# Allegro board Learn.brd (continued)
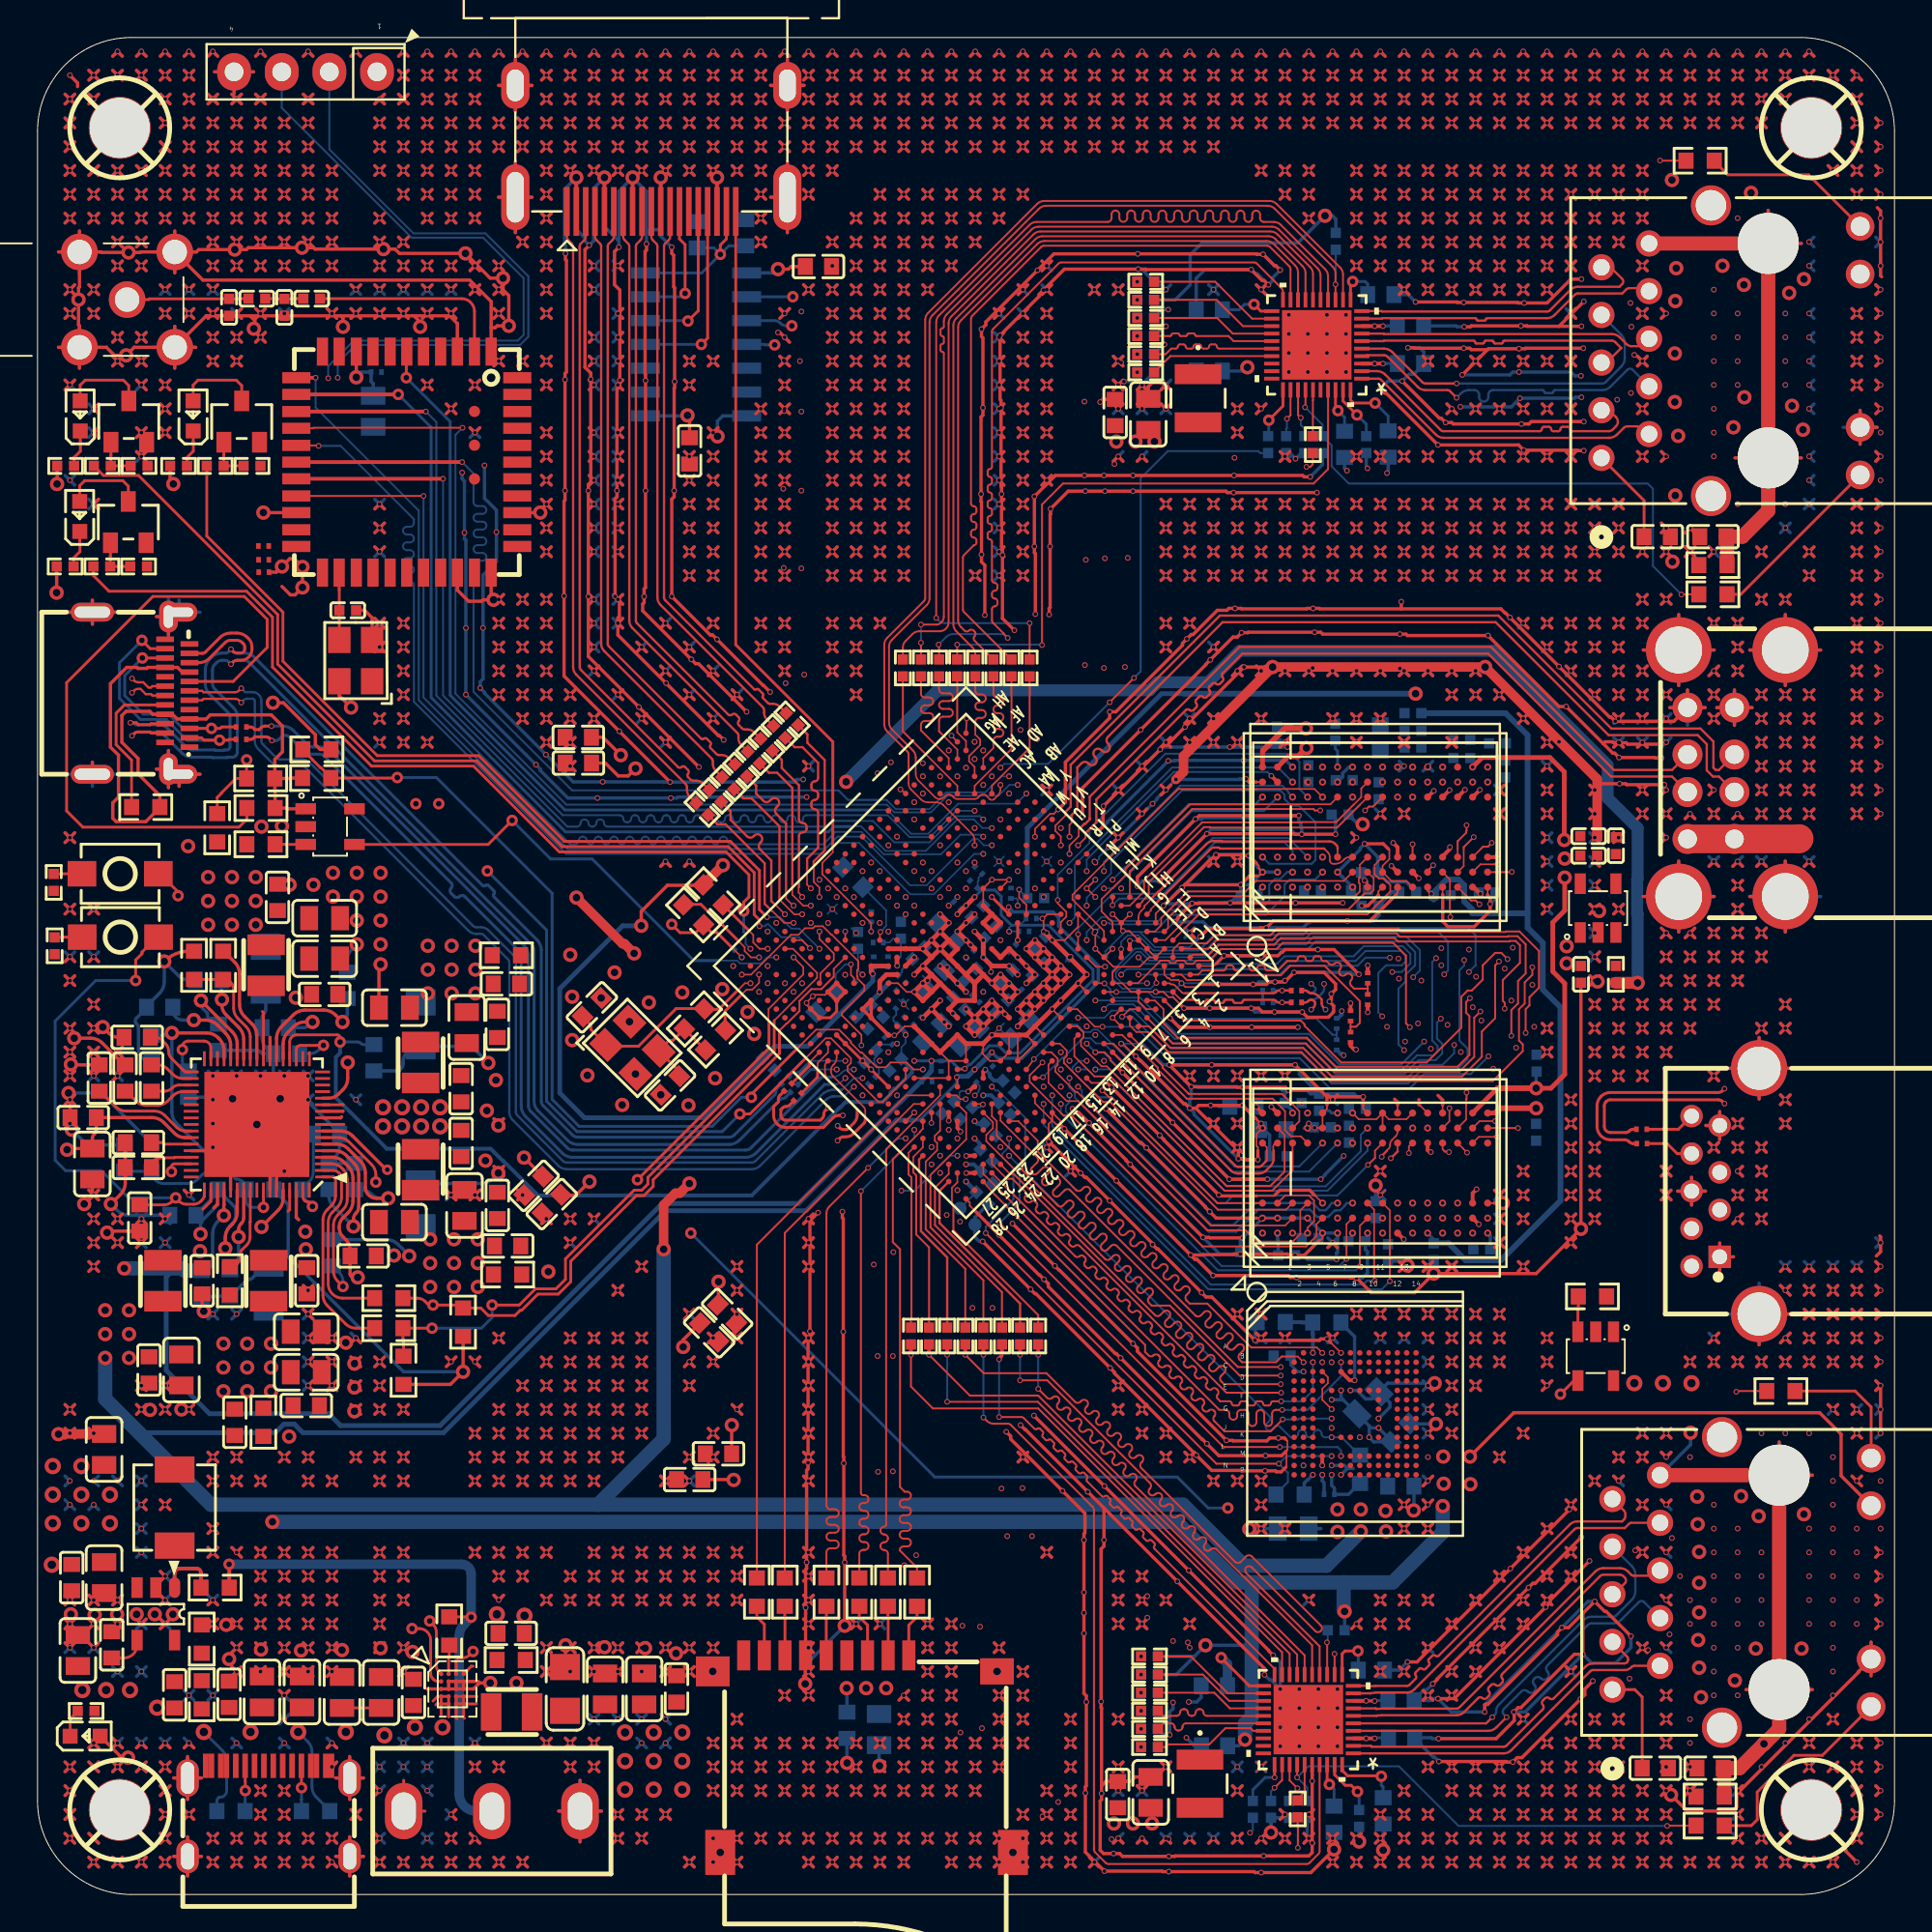
[diagram p0: board, top side]
## Routing (per net, layer and track width the routed paths; a pad name or vN(x,y) marks a point on that pad's centre or on a via; arc(x,y) is an arc through that point) (continued)
  BOTTOM w0.089: 47.38,38.13 48.63,39.38 v1(49.03,39.38)
  BOTTOM w0.104: R86.2 64.78,3.44 v1(64.63,3.29) ; 47.38,38.13 46.76,37.52 v1(46.05,37.52)
GMAC0_MDC: length 42.5
  TOP w0.089: 68.34,11.95 U11.14
  TOP w0.104: 68.34,11.95 68.34,13.23 68.15,13.42 68.15,13.41 64.43,17.14 arc(64.43,17.43) 64.72,17.43 68.11,14.05 arc(68.4,14.05) 68.4,14.34 64.72,18.02 arc(64.57,18.08) 64.43,18.02 64.13,17.73 arc(63.98,17.67) 63.84,17.73 58.84,22.73 arc(58.78,22.88) 58.84,23.02 58.88,23.07 arc(58.88,23.36) 58.59,23.36 58.54,23.32 arc(58.25,23.32) 58.25,23.61 58.29,23.66 arc(58.29,23.95) 58,23.95 57.95,23.91 arc(57.66,23.91) 57.66,24.2 57.7,24.25 arc(57.7,24.54) 57.41,24.54 57.36,24.5 arc(57.07,24.5) 57.07,24.79 57.11,24.84 arc(57.11,25.13) 56.82,25.13 56.77,25.09 arc(56.48,25.09) 56.48,25.38 56.52,25.43 arc(56.52,25.72) 56.23,25.72 56.18,25.68 arc(55.89,25.68) 55.89,25.97 55.93,26.02 arc(55.93,26.31) 55.64,26.31 55.6,26.27 arc(55.45,26.2) 55.3,26.27 53.78,27.79 50.43,27.79 v1(49.45,28.77)
  TOP w0.203: R67.1 v1(49.45,28.77)
GMAC0_MDIO: length 43.1
  TOP w0.089: U5.H23 48.99,42.6 49.2,42.39 v1(49.48,42.39) ; U11.13 68.74,11.95
  TOP w0.104: v1(68.73,13.44) 68.74,13.43 68.74,11.95
  SIG w0.089: 49.83,36.36 49.83,36.98 50.29,37.44 50.29,39.29 49.53,40.06 49.53,42.06 49.48,42.11 v1(49.48,42.39)
  SIG w0.104: 49.83,36.36 49.83,33.27 54.41,28.7 54.41,23.6 64.57,13.44 v1(68.73,13.44)
  BOTTOM w0.104: R80.1 68.77,13.48 v1(68.73,13.44)
GMAC0_RSTN: length 40.5
  TOP w0.089: U11.12 69.14,11.95
  TOP w0.104: v1(69.14,12.83) 69.14,12.82 69.14,11.95
  SIG w0.089: v1(49.03,40.3) 50.11,39.22 50.11,37.54 49.58,37.01 49.58,36.98 49.55,36.95 49.55,36.08
  SIG w0.104: 49.55,36.08 49.55,33.21 54.15,28.6 54.15,22.56 63.6,13.11 66.01,13.11 66.29,12.83 v1(69.14,12.83)
GMAC0_RXCLK: length 38.5
  SIG w0.089: 48.82,36.69 48.82,37.19 arc(48.84,37.32) 48.92,37.43 v1(49.03,37.54)
  SIG w0.104: v1(58.82,7.86) 60.08,7.86 arc(60.25,7.9) 60.39,7.99 60.78,8.38 arc(60.88,8.52) 60.91,8.69 60.91,13.91 arc(60.88,14.08) 60.78,14.23 59.9,15.11 arc(59.75,15.21) 59.58,15.24 56.21,15.24 arc(56.14,15.25) 56.08,15.3 52.07,19.3 arc(52.03,19.36) 52.02,19.43 52.02,29.41 arc(51.99,29.58) 51.89,29.72 48.87,32.74 arc(48.83,32.8) 48.82,32.87 48.82,36.69
GMAC0_RXD0: length 38.4
  SIG w0.089: 47.22,38.29 47.22,39.41 v1(47.65,39.84)
  SIG w0.104: 47.22,38.29 47.22,30.25 48.03,29.44 48.03,27.82 arc(47.97,27.67) 47.83,27.61 arc(47.68,27.55) 47.62,27.41 47.62,27.4 arc(47.68,27.26) 47.83,27.2 arc(47.97,27.14) 48.03,26.99 48.03,26.98 arc(47.97,26.84) 47.83,26.78 arc(47.68,26.72) 47.62,26.58 47.62,26.57 arc(47.68,26.42) 47.83,26.36 arc(47.97,26.31) 48.03,26.16 48.03,26.15 arc(47.97,26.01) 47.83,25.95 arc(47.68,25.89) 47.62,25.74 47.62,25.73 arc(47.68,25.59) 47.83,25.53 arc(47.97,25.47) 48.03,25.33 48.03,19.58 56.29,11.33 58.93,11.33 59.28,10.97 59.28,10.25 v1(58.82,9.79)
GMAC0_RXD1: length 38.4
  TOP w0.089: U5.H25 47.65,41.13 v1(47.65,41.12)
  SIG w0.089: v1(47.65,41.12) 46.91,40.39 46.91,38.6
  SIG w0.104: v1(58.82,10.76) 57.97,10.76 arc(57.88,10.72) 57.85,10.64 arc(57.81,10.55) 57.73,10.52 57.55,10.52 arc(57.47,10.55) 57.43,10.64 arc(57.4,10.72) 57.31,10.76 55.41,10.76 46.91,19.25 46.91,38.6
GMAC0_RXD2: length 41.8
  SIG w0.089: v1(48.11,39.38) 48.11,38.87 47.8,38.56 47.8,37.71
  SIG w0.104: 47.8,37.71 47.8,31.57 49.83,29.54 49.83,28.34 arc(49.77,28.19) 49.63,28.13 49.48,28.13 arc(49.28,27.92) 49.48,27.71 49.63,27.71 arc(49.83,27.5) 49.63,27.29 49.48,27.29 arc(49.28,27.09) 49.48,26.88 49.63,26.88 arc(49.83,26.67) 49.63,26.46 49.48,26.46 arc(49.28,26.25) 49.48,26.05 49.63,26.05 arc(49.83,25.84) 49.63,25.63 49.48,25.63 arc(49.28,25.42) 49.48,25.21 49.63,25.21 arc(49.83,25) 49.63,24.8 49.48,24.8 arc(49.28,24.59) 49.48,24.38 49.63,24.38 arc(49.83,24.17) 49.63,23.96 49.48,23.96 arc(49.28,23.75) 49.48,23.55 49.63,23.55 arc(49.77,23.48) 49.83,23.34 49.83,22.96 arc(49.9,22.82) 50.04,22.75 50.26,22.75 arc(50.47,22.55) 50.26,22.34 50.04,22.34 arc(49.83,22.13) 50.04,21.92 50.26,21.92 arc(50.47,21.71) 50.26,21.5 50.04,21.5 arc(49.83,21.3) 50.04,21.09 50.26,21.09 arc(50.47,20.88) 50.26,20.67 50.04,20.67 arc(49.9,20.61) 49.83,20.46 49.83,19.35 55.93,13.26 58.95,13.26 59.26,12.95 59.26,12.16 v1(58.82,11.72)
GMAC0_RXD3: length 40.4
  SIG w0.089: 47.45,38.06 47.45,38.72 v1(47.65,38.92)
  SIG w0.104: v1(58.82,12.69) 55.51,12.69 48.97,19.23 48.97,19.94 arc(48.91,20.09) 48.76,20.15 48.47,20.15 arc(48.26,20.36) 48.47,20.57 48.76,20.57 arc(48.97,20.78) 48.76,20.98 48.47,20.98 arc(48.26,21.19) 48.47,21.4 48.76,21.4 arc(48.97,21.61) 48.76,21.82 48.47,21.82 arc(48.26,22.03) 48.47,22.23 48.76,22.23 arc(48.97,22.44) 48.76,22.65 48.47,22.65 arc(48.26,22.86) 48.47,23.07 48.76,23.07 arc(48.97,23.28) 48.76,23.48 48.47,23.48 arc(48.26,23.69) 48.47,23.9 48.76,23.9 arc(48.97,24.11) 48.76,24.32 48.47,24.32 arc(48.26,24.53) 48.47,24.73 48.76,24.73 arc(48.97,24.94) 48.76,25.15 48.47,25.15 arc(48.26,25.36) 48.47,25.57 48.76,25.57 arc(48.91,25.63) 48.97,25.77 48.97,28.96 47.45,30.47 47.45,38.06
GMAC0_RXDV: length 40.8
  TOP w0.203: U5.F24 49.03,40.86 49.2,40.69 v1(49.2,40.67)
  SIG w0.089: 48.51,37 48.51,40.29 48.89,40.67 v1(49.2,40.67)
  SIG w0.104: 48.51,37 48.06,36.54 48.06,32.49 50.9,29.64 50.9,19.38 56.39,13.89 59.74,13.89 60.02,13.61 60.02,9.63 59.22,8.83 v1(58.82,8.83)
GMAC0_SOC_MDC: length 13.2
  TOP w0.089: U5.H24 48.11,40.72 47.83,40.44 47.83,40.18 47.96,40.06 47.96,39.67 47.35,39.07 47.35,38.17
  TOP w0.104: R67.2 49.45,33.35 47.35,35.46 47.35,38.17
GMAC0_SOC_RXCLK: length 6.1
  TOP w0.089: 65.11,8.72 U11.27
  TOP w0.104: 65.11,8.72 64.8,8.72 64.66,8.86 63.32,8.86 62.46,8 60.28,8 60.14,7.86 R68.1
GMAC0_SOC_RXD0: length 6.5
  TOP w0.089: 65.11,9.52 U11.25
  TOP w0.104: 65.11,9.52 62.33,9.52 arc(62.2,9.57) 62.15,9.7 arc(62.1,9.83) 61.97,9.88 61.91,9.88 arc(61.79,9.83) 61.73,9.7 arc(61.68,9.57) 61.55,9.52 61.5,9.52 arc(61.37,9.57) 61.32,9.7 arc(61.26,9.83) 61.14,9.88 61.08,9.88 arc(60.95,9.83) 60.9,9.7 arc(60.85,9.57) 60.72,9.52 60,9.52 R71.1
GMAC0_SOC_RXD1: length 6
  TOP w0.089: U11.24 65.11,9.92
  TOP w0.104: R73.1 62.73,10.76 63.56,9.92 65.11,9.92
GMAC0_SOC_RXD2: length 6.2
  TOP w0.089: U11.23 65.11,10.32
  TOP w0.104: 65.11,10.32 63.52,10.32 62.12,11.72 R75.1
GMAC0_SOC_RXD3: length 6.4
  TOP w0.089: U11.22 65.11,10.72
  TOP w0.104: 65.11,10.72 63.45,10.72 61.48,12.69 R77.1
GMAC0_SOC_RXDV: length 6.2
  TOP w0.089: 65.11,9.12 U11.26
  TOP w0.104: 65.11,9.12 61.22,9.12 arc(61.09,9.07) 61.03,8.93 arc(60.97,8.79) 60.84,8.74 60.81,8.74 arc(60.67,8.79) 60.61,8.93 arc(60.56,9.07) 60.42,9.12 60.02,9.12 R79.1
GMAC0_SOC_TXCLK: length 10.5
  TOP w0.089: U5.D27 48.57,38.41 47.84,37.68
  TOP w0.104: R62.2 51.41,32.11 47.84,35.68 47.84,37.68
GMAC0_SOC_TXD0: length 9.9
  TOP w0.124: U5.F28 46.99,39.18 46.99,38.52 47.09,38.42 47.09,35.36 48.49,33.96 R63.2
GMAC0_SOC_TXD1: length 10.6
  TOP w0.089: 46.69,38.83 46.69,39.32 47.19,39.83 U5.G27
  TOP w0.104: 46.69,38.83 46.69,38.48 46.84,38.33 46.84,35.18 47.52,34.49 R64.2
GMAC0_SOC_TXD2: length 10.3
  TOP w0.089: U5.C27 49.03,37.96 48.74,37.67 48.74,36.77 48.82,36.69
  TOP w0.104: R60.2 53.34,30.89 48.82,35.41 48.82,36.69
GMAC0_SOC_TXD3: length 9.8
  TOP w0.124: U5.C28 48.08,37.51 48.08,35.79 52.37,31.5 R61.2
GMAC0_SOC_TXEN: length 9.8
  TOP w0.089: U5.G28 46.43,39.54 46.43,39.08
  TOP w0.104: R65.2 46.56,30.63 46.58,30.66 46.58,38.23 46.43,38.38 46.43,39.08
GMAC0_TXCEN: length 29.1
  TOP w0.089: U11.19 66.34,11.95
  TOP w0.104: 66.34,11.95 66.34,12.91 53.34,25.91 47.73,25.91 46.56,27.08 v1(46.56,28.77)
  TOP w0.203: R65.1 v1(46.56,28.77)
GMAC0_TXCLK: length 26.8
  TOP w0.089: 65.94,11.95 U11.20
  TOP w0.104: v1(51.26,25.45) 52.44,25.45 arc(52.51,25.44) 52.57,25.4 53.14,24.82 arc(53.22,24.79) 53.29,24.82 arc(53.36,24.85) 53.43,24.82 53.58,24.67 arc(53.61,24.6) 53.58,24.53 arc(53.55,24.46) 53.58,24.39 53.73,24.24 arc(53.81,24.21) 53.88,24.24 arc(53.95,24.27) 54.02,24.24 54.17,24.09 arc(54.2,24.01) 54.17,23.94 arc(54.14,23.87) 54.17,23.8 54.32,23.65 arc(54.4,23.62) 54.47,23.65 arc(54.54,23.68) 54.61,23.65 54.76,23.5 arc(54.79,23.42) 54.76,23.35 arc(54.73,23.28) 54.76,23.21 54.91,23.06 arc(54.98,23.03) 55.06,23.06 arc(55.13,23.09) 55.2,23.06 55.35,22.91 arc(55.38,22.83) 55.35,22.76 arc(55.32,22.69) 55.35,22.62 55.5,22.47 arc(55.57,22.44) 55.65,22.47 arc(55.72,22.5) 55.79,22.47 55.94,22.32 arc(55.97,22.25) 55.94,22.17 55.94,22.17 arc(55.91,22.1) 55.94,22.03 56.74,21.23 arc(56.81,21.2) 56.88,21.23 arc(56.96,21.26) 57.03,21.23 57.18,21.08 arc(57.21,21.01) 57.18,20.94 arc(57.15,20.86) 57.18,20.79 57.33,20.64 arc(57.4,20.61) 57.47,20.64 arc(57.54,20.67) 57.62,20.64 57.77,20.49 arc(57.8,20.42) 57.77,20.35 arc(57.74,20.27) 57.77,20.2 57.92,20.05 arc(57.99,20.02) 58.06,20.05 arc(58.13,20.08) 58.21,20.05 58.36,19.9 arc(58.39,19.83) 58.36,19.76 arc(58.33,19.68) 58.36,19.61 58.51,19.46 arc(58.58,19.43) 58.65,19.46 arc(58.72,19.49) 58.8,19.46 58.95,19.31 arc(58.98,19.24) 58.95,19.17 arc(58.92,19.1) 58.95,19.02 59.1,18.87 arc(59.17,18.84) 59.24,18.87 arc(59.31,18.9) 59.39,18.87 59.54,18.72 arc(59.57,18.65) 59.54,18.58 arc(59.51,18.51) 59.54,18.43 65.94,12.03 65.94,11.95
  TOP w0.203: R62.1 51.41,28.82 arc(51.39,28.73) 51.35,28.67 51.26,28.57 v1(51.26,28.52)
  BOTTOM w0.104: v1(51.26,28.52) v1(51.26,25.45)
GMAC0_TXD0: length 28
  TOP w0.089: U11.18 66.74,11.95
  TOP w0.104: v1(48.49,26.26) 53.31,26.26 66.74,12.84 66.74,11.95
  TOP w0.203: R63.1 v1(48.49,28.77)
  BOTTOM w0.104: v1(48.49,28.77) v1(48.49,26.26)
GMAC0_TXD1: length 27.9
  TOP w0.089: U11.17 67.14,11.95
  TOP w0.104: 67.14,11.95 67.14,12.79 53.34,26.59 49.7,26.59 v1(47.52,28.77)
  TOP w0.203: R64.1 v1(47.52,28.77)
GMAC0_TXD2: length 27.5
  TOP w0.089: 67.54,11.95 U11.16
  TOP w0.104: 67.54,11.95 67.54,12.75 58.52,21.77 arc(58.46,21.91) 58.52,22.06 58.53,22.07 arc(58.53,22.37) 58.24,22.37 58.23,22.36 arc(57.93,22.36) 57.93,22.65 57.94,22.66 arc(57.94,22.96) 57.65,22.96 57.64,22.95 arc(57.34,22.95) 57.34,23.24 57.35,23.25 arc(57.35,23.55) 57.06,23.55 57.05,23.54 arc(56.75,23.54) 56.75,23.83 56.77,23.84 arc(56.77,24.14) 56.47,24.14 56.46,24.12 arc(56.16,24.12) 56.16,24.42 56.18,24.43 arc(56.18,24.73) 55.88,24.73 55.87,24.71 arc(55.58,24.71) 55.58,25.01 55.59,25.02 arc(55.59,25.31) 55.29,25.31 55.28,25.3 arc(54.99,25.3) 54.99,25.6 55,25.61 arc(55,25.9) 54.7,25.9 54.69,25.89 arc(54.4,25.89) 54.4,26.19 54.41,26.2 arc(54.41,26.49) 54.11,26.49 54.1,26.48 arc(53.96,26.42) 53.81,26.48 v1(53.34,26.95)
  TOP w0.203: R60.1 v1(53.34,28.77)
  BOTTOM w0.104: v1(53.34,28.77) v1(53.34,26.95)
GMAC0_TXD3: length 27.9
  TOP w0.089: 67.94,11.95 U11.15
  TOP w0.104: 67.94,11.95 67.94,13.29 62.83,18.4 arc(62.68,18.46) 62.54,18.4 62.53,18.39 arc(62.23,18.39) 62.23,18.68 62.24,18.69 arc(62.24,18.99) 61.95,18.99 61.94,18.98 arc(61.64,18.98) 61.64,19.27 61.65,19.28 arc(61.65,19.58) 61.36,19.58 61.35,19.57 arc(61.05,19.57) 61.05,19.86 61.06,19.87 arc(61.06,20.17) 60.77,20.17 60.76,20.15 arc(60.46,20.15) 60.46,20.45 60.47,20.46 arc(60.47,20.76) 60.18,20.76 60.17,20.74 arc(59.87,20.74) 59.87,21.04 59.88,21.05 arc(59.88,21.34) 59.59,21.34 59.58,21.33 arc(59.28,21.33) 59.28,21.63 59.3,21.64 arc(59.36,21.79) 59.3,21.93 53.82,27.41 v1(52.37,27.41)
  TOP w0.203: R61.1 v1(52.37,28.77)
  BOTTOM w0.104: v1(52.37,27.41) v1(52.37,28.77)
GMAC1_INT/PMEB: length 27.3
  TOP w0.104: v1(57.15,63.55) v1(58.45,64.85)
  BOTTOM w0.089: v1(51.33,60.06) 51.53,60.26 52.19,60.26
  BOTTOM w0.104: v1(58.45,64.85) 58.8,65.2 58.8,75.49 60.25,76.94 65.07,76.94 65.18,76.83 R116.2 ; v1(57.15,63.55) 53.86,60.26 52.19,60.26
GMAC1_MDC: length 57.1
  TOP w0.089: U13.14 68.79,85.23
  TOP w0.104: 68.79,85.23 68.79,86.26 arc(68.75,86.46) 68.64,86.63 66.27,89 arc(66.1,89.11) 65.9,89.15 65.37,89.15 arc(65.23,89.22) 65.17,89.36 65.17,89.56 arc(64.96,89.76) 64.75,89.56 64.75,89.36 arc(64.54,89.15) 64.33,89.36 64.33,89.56 arc(64.12,89.76) 63.92,89.56 63.92,89.36 arc(63.71,89.15) 63.5,89.36 63.5,89.56 arc(63.29,89.76) 63.08,89.56 63.08,89.36 arc(62.87,89.15) 62.67,89.36 62.67,89.56 arc(62.46,89.76) 62.25,89.56 62.25,89.36 arc(62.04,89.15) 61.83,89.36 61.83,89.56 arc(61.62,89.76) 61.42,89.56 61.42,89.36 arc(61.21,89.15) 61,89.36 61,89.56 arc(60.79,89.76) 60.58,89.56 60.58,89.36 arc(60.38,89.15) 60.17,89.36 60.17,89.56 arc(59.96,89.76) 59.75,89.56 59.75,89.36 arc(59.54,89.15) 59.33,89.36 59.33,89.56 arc(59.13,89.76) 58.92,89.56 58.92,89.36 arc(58.71,89.15) 58.5,89.36 58.5,89.56 arc(58.29,89.76) 58.08,89.56 58.08,89.36 arc(57.88,89.15) 57.67,89.36 57.67,89.56 arc(57.46,89.76) 57.25,89.56 57.25,89.36 arc(57.19,89.22) 57.04,89.15 53.25,89.15 arc(53.05,89.11) 52.88,89 48.06,84.18 arc(47.94,84.01) 47.9,83.81 v1(47.9,68.05) ; R97.1 v1(52.88,67.77)
  BOTTOM w0.104: v1(52.88,67.77) 48.37,67.77 arc(48.2,67.8) 48.05,67.9 v1(47.9,68.05)
GMAC1_MDIO: length 60.6
  TOP w0.089: U13.13 69.19,85.23 ; v1(51.33,59.14) 51.33,58.92 arc(51.29,58.74) 51.19,58.58 51,58.39 arc(50.88,58.34) 50.75,58.39 50.57,58.57 arc(50.41,58.64) 50.24,58.57 50.15,58.48 arc(50.05,58.42) 49.95,58.39 49.05,58.39 arc(48.93,58.42) 48.83,58.49 48.74,58.57 arc(48.58,58.64) 48.41,58.57 48.32,58.48 arc(48.23,58.42) 48.12,58.39 48.08,58.39 arc(47.95,58.42) 47.84,58.49 46.96,59.37 arc(46.85,59.54) 46.81,59.74 46.81,60.28
  TOP w0.104: 69.19,85.23 v1(69.19,85.83) 69.19,86.4 arc(69.15,86.6) 69.04,86.77 65.94,89.86 arc(65.77,89.98) 65.57,90.02 53.76,90.02 arc(53.56,89.98) 53.39,89.86 47.7,84.18 arc(47.59,84.01) 47.55,83.81 47.55,69.08 arc(47.51,68.9) 47.41,68.74 45.54,66.88 arc(45.43,66.71) 45.39,66.51 45.39,62.47 arc(45.43,62.27) 45.54,62.1 46.66,60.99 arc(46.77,60.82) 46.81,60.62 46.81,60.28
  BOTTOM w0.104: v1(69.19,85.83) 69.19,86.12 69.2,86.13 R110.1
GMAC1_RSTN: length 59.3
  TOP w0.089: U13.12 69.59,85.23 ; v1(49.95,55.93) 49.95,56.18 arc(49.91,56.38) 49.8,56.55 48.29,58.06 arc(48.12,58.18) 47.92,58.22 47.46,58.22 arc(47.26,58.26) 47.09,58.37 46.57,58.89 arc(46.47,59.04) 46.43,59.23 46.43,59.9
  TOP w0.104: 46.43,59.9 46.43,60.78 arc(46.42,60.85) 46.38,60.91 45.29,62 arc(45.18,62.17) 45.14,62.37 45.14,66.61 arc(45.18,66.81) 45.29,66.98 47.26,68.95 arc(47.3,69.02) 47.32,69.09 47.32,83.93 arc(47.36,84.13) 47.47,84.3 53.29,90.12 arc(53.46,90.23) 53.66,90.27 65.67,90.27 arc(65.87,90.23) 66.04,90.12 69.44,86.72 arc(69.55,86.55) 69.59,86.35 69.59,85.23
GMAC1_RXCLK: length 32.3
  TOP w0.089: U5.AH2 v1(48.72,61.77)
  SIG w0.089: v1(48.72,61.77) 48.57,61.77 arc(48.44,61.75) 48.34,61.68 47.96,61.3 arc(47.86,61.15) 47.83,60.98 47.83,59.28 arc(47.85,59.19) 47.9,59.11 47.91,59.1 arc(47.99,59.05) 48.08,59.03 49.7,59.03 arc(49.87,59.06) 50.02,59.16 51.65,60.8
  SIG w0.104: v1(58.62,81.14) 57.07,81.14 arc(56.9,81.11) 56.75,81.01 56.37,80.62 arc(56.27,80.48) 56.24,80.31 56.24,65.56 arc(56.2,65.39) 56.11,65.25 51.65,60.8
GMAC1_RXD0: length 29.6
  SIG w0.089: v1(49.95,61.44) 50.88,61.44 50.94,61.51
  SIG w0.104: v1(58.62,83.07) 57.76,83.07 arc(57.61,83.01) 57.55,82.86 57.55,82.71 arc(57.34,82.5) 57.13,82.71 57.13,82.86 arc(57.07,83.01) 56.92,83.07 56.73,83.07 56.55,82.89 arc(56.4,82.83) 56.26,82.89 56.09,83.05 arc(55.8,83.05) 55.8,82.76 55.96,82.6 arc(55.96,82.3) 55.67,82.3 55.48,82.49 arc(55.19,82.49) 55.19,82.19 55.37,82.01 arc(55.43,81.86) 55.37,81.71 55.09,81.43 55.09,65.66 50.94,61.51
GMAC1_RXD1: length 29.3
  SIG w0.089: v1(49.95,60.52) 49.66,60.82 49.66,61.57 49.83,61.75 50.71,61.75
  SIG w0.104: 50.71,61.75 50.83,61.75 54.84,65.76 54.84,82.52 56.35,84.04 v1(58.62,84.04)
GMAC1_RXD2: length 31.3
  SIG w0.089: 50.45,62 49.83,62 49.48,61.65 49.48,61.01 49.47,61 49.47,60.62 49.03,60.18 v1(49.03,59.6)
  SIG w0.104: v1(58.62,85) 56.3,85 54.61,83.31 54.61,65.89 50.72,62 50.45,62
GMAC1_RXD3: length 31.6
  SIG w0.089: 50.2,62.26 49.73,62.26 49.28,61.8 49.28,61.24 49.02,60.98 v1(48.57,60.98)
  SIG w0.104: v1(58.62,85.97) 55.79,85.97 54.36,84.53 54.36,65.99 50.62,62.26 50.2,62.26
GMAC1_RXDV: length 29.3
  SIG w0.089: v1(50.41,60.98) 50.77,60.98 51.12,61.33
  SIG w0.104: v1(58.62,82.11) 56.76,82.11 55.35,80.7 55.35,78.48 arc(55.37,78.42) 55.44,78.39 arc(55.51,78.36) 55.54,78.29 55.54,78.07 arc(55.51,78) 55.44,77.97 arc(55.37,77.94) 55.35,77.88 55.35,77.65 arc(55.37,77.58) 55.44,77.56 arc(55.51,77.53) 55.54,77.46 55.54,77.23 arc(55.51,77.17) 55.44,77.14 arc(55.37,77.11) 55.35,77.04 55.35,76.82 arc(55.37,76.75) 55.44,76.72 arc(55.51,76.69) 55.54,76.63 55.54,76.4 arc(55.51,76.33) 55.44,76.31 arc(55.37,76.28) 55.35,76.21 55.35,74.02 arc(55.38,73.93) 55.47,73.9 arc(55.55,73.86) 55.59,73.78 55.59,73.6 arc(55.55,73.52) 55.47,73.48 arc(55.38,73.45) 55.35,73.36 55.35,73.19 arc(55.38,73.1) 55.47,73.07 arc(55.55,73.03) 55.59,72.95 55.59,72.77 arc(55.55,72.68) 55.47,72.65 arc(55.38,72.61) 55.35,72.53 55.35,72.35 arc(55.38,72.27) 55.47,72.23 arc(55.55,72.2) 55.59,72.11 55.59,71.94 arc(55.55,71.85) 55.47,71.82 arc(55.38,71.78) 55.35,71.7 55.35,70.26 arc(55.4,70.14) 55.52,70.09 arc(55.64,70.04) 55.69,69.92 55.69,69.84 arc(55.64,69.72) 55.52,69.67 arc(55.4,69.62) 55.35,69.5 55.35,69.43 arc(55.4,69.31) 55.52,69.26 arc(55.64,69.21) 55.69,69.08 55.69,69.01 arc(55.64,68.89) 55.52,68.84 arc(55.4,68.79) 55.35,68.67 55.35,68.59 arc(55.4,68.47) 55.52,68.42 arc(55.64,68.37) 55.69,68.25 55.69,68.18 arc(55.64,68.06) 55.52,68.01 arc(55.4,67.96) 55.35,67.84 55.35,67.76 arc(55.4,67.64) 55.52,67.59 arc(55.64,67.54) 55.69,67.42 55.69,67.34 arc(55.64,67.22) 55.52,67.17 arc(55.4,67.12) 55.35,67 55.35,66.93 arc(55.4,66.81) 55.52,66.76 arc(55.64,66.71) 55.69,66.59 55.69,66.51 arc(55.64,66.39) 55.52,66.34 arc(55.4,66.29) 55.35,66.17 55.35,65.56 51.12,61.33
GMAC1_SOC_MDC: length 7.1
  TOP w0.089: U5.AC3 50.87,59.1 52.11,60.34
  TOP w0.104: R97.2 52.88,61.11 52.11,60.34
GMAC1_SOC_RXCLK: length 6.6
  TOP w0.089: U13.27 65.56,82
  TOP w0.104: 65.56,82 60.38,82 R99.1
GMAC1_SOC_RXD0: length 6.7
  TOP w0.089: 65.56,82.8 U13.25
  TOP w0.104: 65.56,82.8 63.76,82.8 63.49,83.07 61.77,83.07 arc(61.72,83.09) 61.7,83.14 arc(61.68,83.19) 61.63,83.21 61.35,83.21 arc(61.3,83.19) 61.28,83.14 arc(61.26,83.09) 61.21,83.07 60.94,83.07 arc(60.89,83.09) 60.87,83.14 arc(60.85,83.19) 60.8,83.21 60.52,83.21 arc(60.47,83.19) 60.45,83.14 arc(60.43,83.09) 60.38,83.07 R101.1
GMAC1_SOC_RXD1: length 6.6
  TOP w0.089: U13.24 65.56,83.2
  TOP w0.104: 65.56,83.2 63.71,83.2 62.88,84.04 R103.1
GMAC1_SOC_RXD2: length 6.8
  TOP w0.089: U13.23 65.56,83.6
  TOP w0.104: R105.1 62.85,85 64.25,83.6 65.56,83.6
GMAC1_SOC_RXD3: length 7.1
  TOP w0.089: U13.22 65.56,84
  TOP w0.104: R107.1 62.78,85.97 64.74,84 65.56,84
GMAC1_SOC_RXDV: length 7.2
  TOP w0.089: 65.56,82.4 U13.26
  TOP w0.104: R109.1 60.13,82.11 60.43,82.4 60.67,82.4 arc(60.75,82.43) 60.78,82.51 arc(60.82,82.59) 60.9,82.63 61.09,82.63 arc(61.17,82.59) 61.2,82.51 arc(61.23,82.43) 61.31,82.4 61.51,82.4 arc(61.59,82.43) 61.62,82.51 arc(61.65,82.59) 61.73,82.63 61.92,82.63 arc(62,82.59) 62.03,82.51 arc(62.07,82.43) 62.15,82.4 62.34,82.4 arc(62.42,82.43) 62.45,82.51 arc(62.48,82.59) 62.56,82.63 62.76,82.63 arc(62.83,82.59) 62.87,82.51 arc(62.9,82.43) 62.98,82.4 65.56,82.4
GMAC1_SOC_TXCLK: length 7
  TOP w0.089: U5.AG3 49.03,61.03 48.29,61.76
  TOP w0.104: R92.2 48.06,64.24 arc(48.12,64.09) 48.27,64.03 48.58,64.03 arc(48.79,63.82) 48.58,63.62 48.27,63.62 arc(48.06,63.41) 48.27,63.2 48.58,63.2 arc(48.79,62.99) 48.58,62.78 48.27,62.78 arc(48.12,62.72) 48.06,62.57 48.06,62 48.29,61.76
GMAC1_SOC_TXD0: length 7.2
  TOP w0.089: U5.AE2 50.41,60.57 50.95,61.11 50.95,61.44
  TOP w0.104: R94.2 50.95,64 arc(51.01,63.86) 51.16,63.8 51.28,63.8 arc(51.49,63.59) 51.28,63.38 51.16,63.38 arc(50.95,63.17) 51.16,62.96 51.28,62.96 arc(51.49,62.76) 51.28,62.55 51.16,62.55 arc(50.95,62.34) 51.16,62.13 51.28,62.13 arc(51.49,61.92) 51.28,61.71 51.16,61.71 arc(51.01,61.65) 50.95,61.51 50.95,61.44
GMAC1_SOC_TXD1: length 7.3
  TOP w0.089: U5.AE3 49.95,60.11 49.66,60.4 49.66,60.68 50.24,61.26 50.24,61.57 49.99,61.82 49.99,62.08
  TOP w0.104: R95.2 49.99,64.18 arc(50.05,64.03) 50.2,63.97 50.34,63.97 arc(50.55,63.76) 50.34,63.55 50.2,63.55 arc(49.99,63.34) 50.2,63.13 50.34,63.13 arc(50.55,62.93) 50.34,62.72 50.2,62.72 arc(50.05,62.66) 49.99,62.51 49.99,62.08
GMAC1_SOC_TXD2: length 7.4
  TOP w0.089: U5.AE5 49.03,59.1 47.33,60.8
  TOP w0.104: R90.2 46.13,62 47.33,60.8
GMAC1_SOC_TXD3: length 7.4
  TOP w0.089: 47.84,61.31 48.57,60.57 U5.AG4
  TOP w0.104: 47.84,61.31 47.09,62.05 47.09,62.35 arc(47.15,62.49) 47.3,62.55 47.54,62.55 arc(47.75,62.76) 47.54,62.97 47.3,62.97 arc(47.09,63.18) 47.3,63.39 47.54,63.39 arc(47.75,63.6) 47.54,63.8 47.3,63.8 arc(47.15,63.86) 47.09,64.01 R91.2
GMAC1_SOC_TXEN: length 7.1
  TOP w0.089: U5.AD4 49.95,59.1 51.66,60.8
  TOP w0.104: R96.2 51.92,61.06 51.66,60.8
GMAC1_TXCEN: length 41.2
  TOP w0.089: 66.79,85.23 U13.19
  TOP w0.104: R96.1 49.38,68.37 arc(49.34,68.43) 49.33,68.5 49.33,71.26 arc(49.34,71.33) 49.38,71.39 49.9,71.91 arc(50.01,71.96) 50.05,72.06 50.05,72.19 arc(50.01,72.29) 49.9,72.33 arc(49.8,72.37) 49.76,72.48 49.76,72.6 arc(49.8,72.71) 49.9,72.75 arc(50.01,72.79) 50.05,72.89 50.05,73.02 arc(50.01,73.12) 49.9,73.16 arc(49.8,73.21) 49.76,73.31 49.76,73.44 arc(49.8,73.54) 49.9,73.58 arc(50.01,73.62) 50.05,73.73 50.05,73.85 arc(50.01,73.95) 49.9,74 arc(49.8,74.04) 49.76,74.14 49.76,84.01 arc(49.77,84.08) 49.81,84.14 53.5,87.83 arc(53.56,87.87) 53.64,87.88 65.56,87.88 arc(65.63,87.87) 65.69,87.83 66.73,86.78 arc(66.78,86.72) 66.79,86.65 66.79,85.23
GMAC1_TXCLK: length 41.6
  TOP w0.089: 66.39,85.23 U13.20
  TOP w0.104: v1(48.03,66.62) 48.06,66.6 R92.1 ; 66.39,85.23 66.39,85.41 arc(66.37,85.53) 66.3,85.63 64.99,86.94 arc(64.93,86.98) 64.86,87 54.56,87 arc(54.49,86.98) 54.43,86.94 50.93,83.44 arc(50.89,83.38) 50.88,83.31 50.88,76.1 arc(50.84,76.02) 50.76,75.98 arc(50.68,75.95) 50.65,75.87 50.65,75.68 arc(50.68,75.6) 50.76,75.57 arc(50.84,75.53) 50.88,75.45 50.88,75.26 arc(50.84,75.18) 50.76,75.15 arc(50.68,75.12) 50.65,75.03 50.65,74.85 arc(50.68,74.77) 50.76,74.73 arc(50.84,74.7) 50.88,74.62 50.88,74.43 arc(50.84,74.35) 50.76,74.32 arc(50.68,74.28) 50.65,74.2 50.65,74.01 arc(50.68,73.93) 50.76,73.9 arc(50.84,73.87) 50.88,73.78 50.88,73.6 arc(50.84,73.52) 50.76,73.48 arc(50.68,73.45) 50.65,73.37 50.65,73.18 arc(50.68,73.1) 50.76,73.07 arc(50.84,73.03) 50.88,72.95 50.88,72.76 arc(50.84,72.68) 50.76,72.65 arc(50.68,72.62) 50.65,72.53 50.65,72.35 arc(50.68,72.27) 50.76,72.23 arc(50.84,72.2) 50.88,72.12 50.88,70.06 arc(50.92,69.96) 51.02,69.91 arc(51.12,69.87) 51.17,69.77 51.17,69.64 arc(51.12,69.54) 51.02,69.5 arc(50.92,69.45) 50.88,69.35 50.88,69.23 arc(50.92,69.12) 51.02,69.08 arc(51.12,69.04) 51.17,68.94 51.17,68.81 arc(51.12,68.71) 51.02,68.66 arc(50.92,68.62) 50.88,68.52 50.88,67.92 arc(50.89,67.85) 50.93,67.79 51.51,67.21 51.51,67.19 v1(51.71,66.98)
  BOTTOM w0.104: v1(48.03,66.62) 48.44,67.03 arc(48.61,67.15) 48.81,67.19 51.37,67.19 arc(51.5,67.16) 51.6,67.09 v1(51.71,66.98)
GMAC1_TXD0: length 41.2
  TOP w0.089: U13.18 67.19,85.23
  TOP w0.104: R94.1 49.95,66.83 arc(49.9,66.96) 49.95,67.08 arc(50,67.2) 49.95,67.32 49.9,67.37 arc(49.78,67.42) 49.65,67.37 arc(49.53,67.32) 49.41,67.37 49.23,67.56 arc(49.11,67.73) 49.07,67.93 49.07,83.54 arc(49.11,83.74) 49.23,83.91 53.3,87.99 arc(53.47,88.1) 53.67,88.14 65.52,88.14 arc(65.72,88.1) 65.89,87.99 67.04,86.84 arc(67.15,86.67) 67.19,86.47 67.19,85.23
GMAC1_TXD1: length 41.4
  TOP w0.089: U13.17 67.59,85.23
  TOP w0.104: 67.59,85.23 67.59,86.42 arc(67.55,86.62) 67.44,86.79 65.99,88.24 arc(65.82,88.35) 65.62,88.39 53.56,88.39 arc(53.36,88.35) 53.19,88.24 48.97,84.02 arc(48.86,83.85) 48.82,83.65 48.82,67.7 arc(48.86,67.5) 48.97,67.34 49.83,66.47 arc(49.95,66.3) 49.99,66.1 R95.1
GMAC1_TXD2: length 43.7
  TOP w0.089: U13.16 67.99,85.23
  TOP w0.104: R90.1 46.13,66.46 arc(46.17,66.66) 46.28,66.83 46.63,67.18 arc(46.8,67.3) 47,67.34 48.08,67.34 arc(48.42,67.48) 48.56,67.82 48.56,83.75 arc(48.6,83.95) 48.72,84.12 53.09,88.49 arc(53.26,88.61) 53.46,88.65 65.72,88.65 arc(65.92,88.61) 66.09,88.49 67.84,86.75 arc(67.95,86.58) 67.99,86.38 67.99,85.23
GMAC1_TXD3: length 44.2
  TOP w0.089: U13.15 68.39,85.23
  TOP w0.104: 68.39,85.23 68.39,86.31 arc(68.35,86.51) 68.24,86.68 66.17,88.75 arc(66,88.86) 65.8,88.9 53.35,88.9 arc(53.15,88.86) 52.98,88.75 48.46,84.23 arc(48.35,84.06) 48.31,83.86 48.31,83.57 arc(48.29,83.51) 48.22,83.48 arc(48.16,83.46) 48.14,83.4 48.14,83.16 arc(48.16,83.09) 48.22,83.07 arc(48.29,83.04) 48.31,82.98 48.31,82.74 arc(48.29,82.68) 48.22,82.65 arc(48.16,82.63) 48.14,82.56 48.14,82.32 arc(48.16,82.26) 48.22,82.23 arc(48.29,82.21) 48.31,82.15 48.31,68.11 arc(48.28,67.96) 48.19,67.83 48.16,67.79 arc(48.05,67.72) 47.91,67.69 v1(47.09,67.69) ; R91.1 v1(47.09,66.73)
  BOTTOM w0.104: v1(47.09,66.73) v1(47.09,67.69)
HDMI_CEC: length 31.4
  SIG w0.089: v1(47.19,59.6) 46.91,59.6 46.52,59.99
  SIG w0.152: v2(40.26,85.17) 40.79,85.17 41.17,84.79 41.17,65.34 46.52,59.99
  BOTTOM w0.152: U16.2 v2(40.26,85.17)
HDMI_CEC_TYPE: length 6.7
  TOP w0.152: J1.13 34.22,88.25 34.52,87.95 v2(34.52,85.34)
  BOTTOM w0.152: U16.13 34.34,85.17 v2(34.52,85.34)
HDMI_HPDIN: length 42.4
  TOP w0.089: v1(44.44,51.33) 44.44,51.78 41.83,54.38 41.83,54.99 42.39,55.55 42.39,55.86
  TOP w0.152: J1.19 37.22,66.62 42.39,61.44 42.39,55.86
  BOTTOM w0.089: v1(44.44,51.33) 44.44,51.84 C208.1
